# KiCad board AsicsBoard - 16xBM1366 - 01A.kicad_pcb
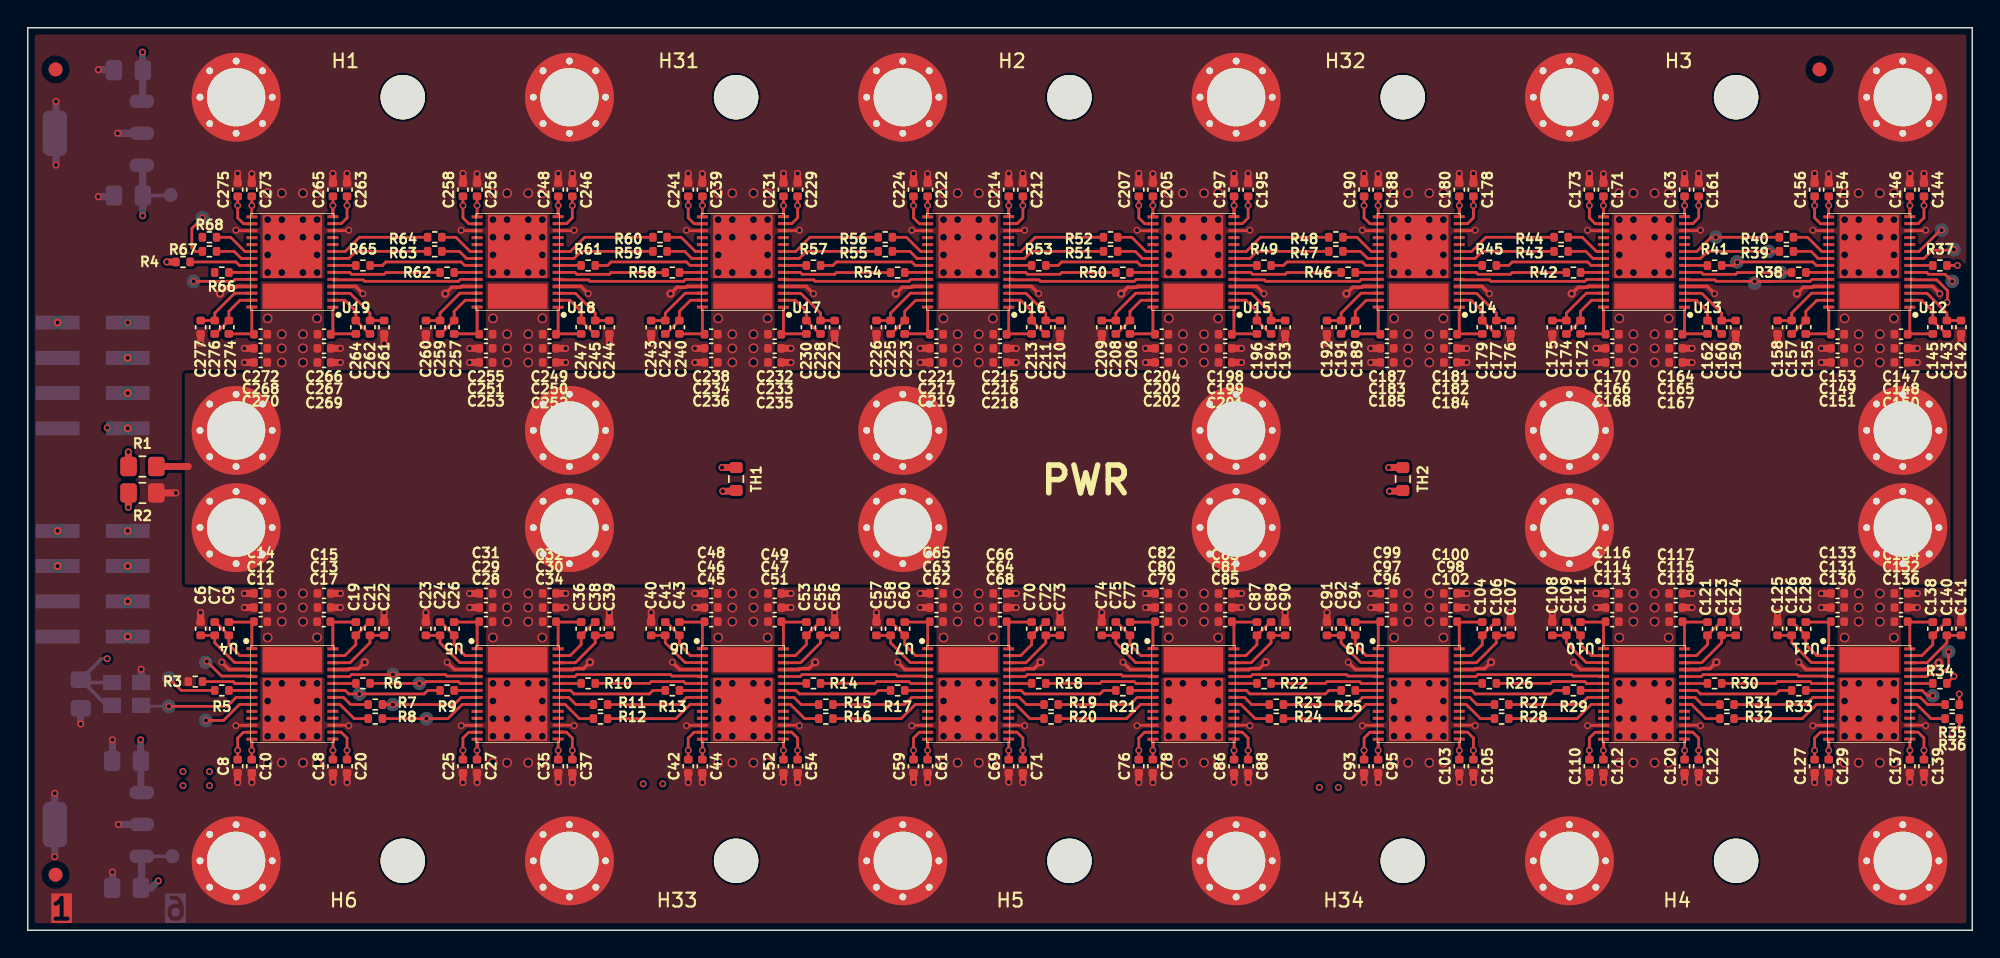
[diagram p0: board, top side]
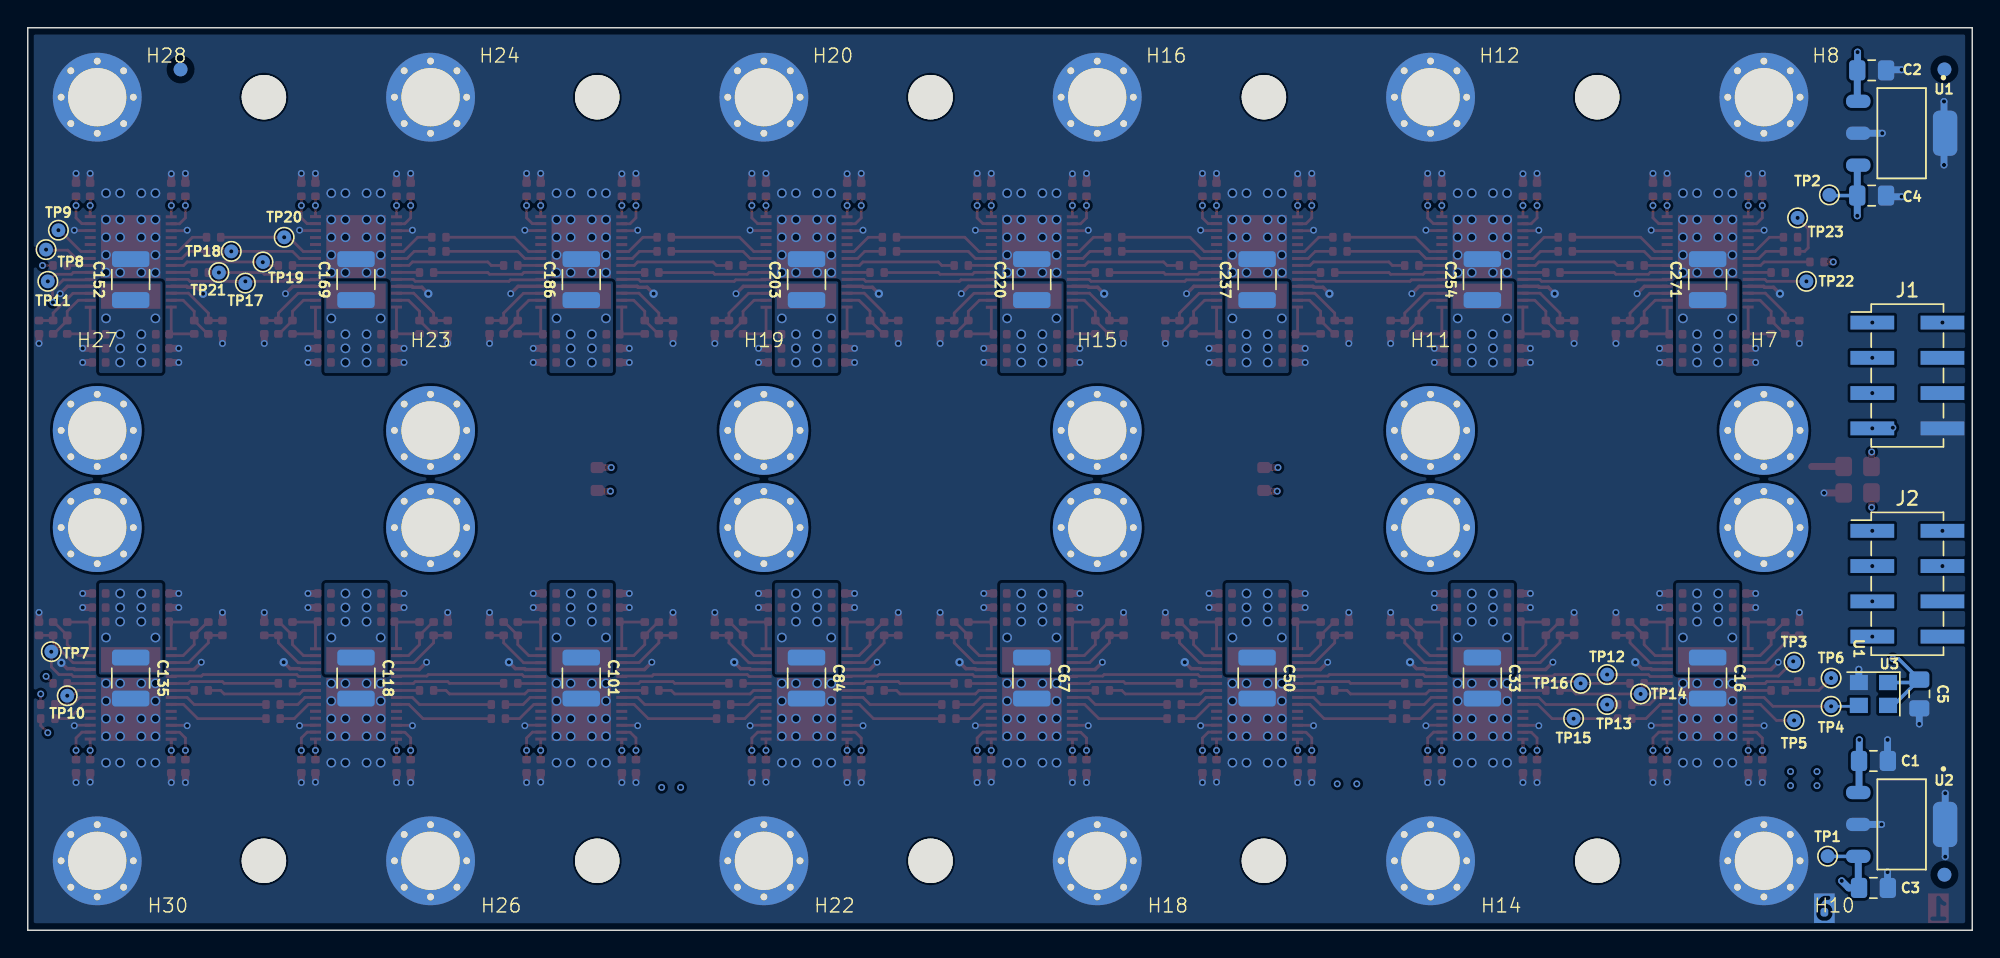
[diagram p1: board, bottom side, seen from below]

Outline 140 x 65 mm; copper layers: Top, In1.Cu, In2.Cu, In3.Cu, In4.Cu, Bottom. Coordinates in mm from the lower left corner of the outline.
Outline path: 0,65 0,0 140,0 140,65 0,65
Stack: Top 0.035mm / dielectric 0.1mm FR4 er 4.5 / In1.Cu 0.035mm / dielectric 0.535mm FR4 er 4.5 / In2.Cu 0.035mm / dielectric 0.1mm FR4 er 4.5 / In3.Cu 0.035mm / dielectric 0.535mm FR4 er 4.5 / In4.Cu 0.035mm / dielectric 0.1mm FR4 er 4.5 / Bottom 0.035mm

## Placement (name value [footprint] x y rotation side)
C1  1uF  [C_0805_2012Metric_Pad1.18x1.45mm_HandSolder]  7.11 12.19 180 bottom
C2  1uF  [C_0805_2012Metric_Pad1.18x1.45mm_HandSolder]  7.24 61.93 180 bottom
C3  1uF  [C_0805_2012Metric_Pad1.18x1.45mm_HandSolder]  7.11 3.05 180 bottom
C4  1uF  [C_0805_2012Metric_Pad1.18x1.45mm_HandSolder]  7.24 52.92 180 bottom
C5  100nF  [C_0805_2012Metric_Pad1.18x1.45mm_HandSolder]  3.81 17.02 270 bottom
C6  1uF/6.3V  [C_0402_1005Metric]  12.45 21.72 270 top
C7  1uF/6.3V  [C_0402_1005Metric]  13.46 21.72 90 top
C8  1uF/6.3V  [C_0402_1005Metric]  15.11 11.81 270 top
C9  1uF/6.3V  [C_0402_1005Metric]  14.48 21.72 90 top
C10  1uF/6.3V  [C_0402_1005Metric]  16.13 11.81 270 top
C11  1uF/6.3V  [C_0402_1005Metric]  16.76 22.22 0 top
C12  100nF  [C_0402_1005Metric]  16.76 23.24 180 top
C13  100nF  [C_0402_1005Metric]  21.34 23.24 0 top
C14  1uF/6.3V  [C_0402_1005Metric]  16.76 24.26 180 top
C15  1uF/6.3V  [C_0402_1005Metric]  21.34 24.26 0 top
C16  330µF/4V  [C_1210_3225Metric]  19.05 18.16 270 bottom
C17  1uF/6.3V  [C_0402_1005Metric]  21.31 22.22 0 top
C18  1uF/6.3V  [C_0402_1005Metric]  21.97 11.81 270 top
C19  1uF/6.3V  [C_0402_1005Metric]  23.62 21.72 270 top
C20  1uF/6.3V  [C_0402_1005Metric]  22.99 11.81 270 top
C21  1uF/6.3V  [C_0402_1005Metric]  24.64 21.72 270 top
C22  1uF/6.3V  [C_0402_1005Metric]  25.65 21.72 90 top
C23  1uF/6.3V  [C_0402_1005Metric]  28.67 21.72 270 top
C24  1uF/6.3V  [C_0402_1005Metric]  29.68 21.72 90 top
C25  1uF/6.3V  [C_0402_1005Metric]  31.33 11.81 270 top
C26  1uF/6.3V  [C_0402_1005Metric]  30.7 21.72 90 top
C27  1uF/6.3V  [C_0402_1005Metric]  32.35 11.81 270 top
C28  1uF/6.3V  [C_0402_1005Metric]  32.98 22.22 0 top
C29  100nF  [C_0402_1005Metric]  32.98 23.24 180 top
C30  100nF  [C_0402_1005Metric]  37.56 23.24 0 top
C31  1uF/6.3V  [C_0402_1005Metric]  32.98 24.26 180 top
C32  1uF/6.3V  [C_0402_1005Metric]  37.56 24.26 0 top
C33  330µF/4V  [C_1210_3225Metric]  35.27 18.16 270 bottom
C34  1uF/6.3V  [C_0402_1005Metric]  37.56 22.22 0 top
C35  1uF/6.3V  [C_0402_1005Metric]  38.19 11.81 270 top
C36  1uF/6.3V  [C_0402_1005Metric]  39.84 21.72 270 top
C37  1uF/6.3V  [C_0402_1005Metric]  39.21 11.81 270 top
C38  1uF/6.3V  [C_0402_1005Metric]  40.86 21.72 270 top
C39  1uF/6.3V  [C_0402_1005Metric]  41.87 21.72 90 top
C40  1uF/6.3V  [C_0402_1005Metric]  44.89 21.72 270 top
C41  1uF/6.3V  [C_0402_1005Metric]  45.9 21.72 90 top
C42  1uF/6.3V  [C_0402_1005Metric]  47.55 11.81 270 top
C43  1uF/6.3V  [C_0402_1005Metric]  46.92 21.72 90 top
C44  1uF/6.3V  [C_0402_1005Metric]  48.57 11.81 270 top
C45  1uF/6.3V  [C_0402_1005Metric]  49.2 22.22 0 top
C46  100nF  [C_0402_1005Metric]  49.2 23.24 180 top
C47  100nF  [C_0402_1005Metric]  53.78 23.24 0 top
C48  1uF/6.3V  [C_0402_1005Metric]  49.2 24.26 180 top
C49  1uF/6.3V  [C_0402_1005Metric]  53.78 24.26 0 top
C50  330µF/4V  [C_1210_3225Metric]  51.49 18.16 270 bottom
C51  1uF/6.3V  [C_0402_1005Metric]  53.78 22.22 0 top
C52  1uF/6.3V  [C_0402_1005Metric]  54.41 11.81 270 top
C53  1uF/6.3V  [C_0402_1005Metric]  56.06 21.72 270 top
C54  1uF/6.3V  [C_0402_1005Metric]  55.43 11.81 270 top
C55  1uF/6.3V  [C_0402_1005Metric]  57.08 21.72 270 top
C56  1uF/6.3V  [C_0402_1005Metric]  58.09 21.72 90 top
C57  1uF/6.3V  [C_0402_1005Metric]  61.11 21.72 270 top
C58  1uF/6.3V  [C_0402_1005Metric]  62.12 21.72 90 top
C59  1uF/6.3V  [C_0402_1005Metric]  63.77 11.81 270 top
C60  1uF/6.3V  [C_0402_1005Metric]  63.14 21.72 90 top
C61  1uF/6.3V  [C_0402_1005Metric]  64.79 11.81 270 top
C62  1uF/6.3V  [C_0402_1005Metric]  65.42 22.22 0 top
C63  100nF  [C_0402_1005Metric]  65.42 23.24 180 top
C64  100nF  [C_0402_1005Metric]  70 23.24 0 top
C65  1uF/6.3V  [C_0402_1005Metric]  65.42 24.26 180 top
C66  1uF/6.3V  [C_0402_1005Metric]  70 24.26 0 top
C67  330µF/4V  [C_1210_3225Metric]  67.71 18.16 270 bottom
C68  1uF/6.3V  [C_0402_1005Metric]  70 22.22 0 top
C69  1uF/6.3V  [C_0402_1005Metric]  70.63 11.81 270 top
C70  1uF/6.3V  [C_0402_1005Metric]  72.28 21.72 270 top
C71  1uF/6.3V  [C_0402_1005Metric]  71.65 11.81 270 top
C72  1uF/6.3V  [C_0402_1005Metric]  73.3 21.72 270 top
C73  1uF/6.3V  [C_0402_1005Metric]  74.31 21.72 90 top
C74  1uF/6.3V  [C_0402_1005Metric]  77.32 21.72 270 top
C75  1uF/6.3V  [C_0402_1005Metric]  78.34 21.72 90 top
C76  1uF/6.3V  [C_0402_1005Metric]  79.99 11.81 270 top
C77  1uF/6.3V  [C_0402_1005Metric]  79.36 21.72 90 top
C78  1uF/6.3V  [C_0402_1005Metric]  81.01 11.81 270 top
C79  1uF/6.3V  [C_0402_1005Metric]  81.64 22.22 0 top
C80  100nF  [C_0402_1005Metric]  81.64 23.24 180 top
C81  100nF  [C_0402_1005Metric]  86.21 23.24 0 top
C82  1uF/6.3V  [C_0402_1005Metric]  81.64 24.26 180 top
C83  1uF/6.3V  [C_0402_1005Metric]  86.21 24.26 0 top
C84  330µF/4V  [C_1210_3225Metric]  83.93 18.16 270 bottom
C85  1uF/6.3V  [C_0402_1005Metric]  86.21 22.22 0 top
C86  1uF/6.3V  [C_0402_1005Metric]  86.85 11.81 270 top
C87  1uF/6.3V  [C_0402_1005Metric]  88.5 21.72 270 top
C88  1uF/6.3V  [C_0402_1005Metric]  87.87 11.81 270 top
C89  1uF/6.3V  [C_0402_1005Metric]  89.52 21.72 270 top
C90  1uF/6.3V  [C_0402_1005Metric]  90.53 21.72 90 top
C91  1uF/6.3V  [C_0402_1005Metric]  93.54 21.72 270 top
C92  1uF/6.3V  [C_0402_1005Metric]  94.56 21.72 90 top
C93  1uF/6.3V  [C_0402_1005Metric]  96.21 11.81 270 top
C94  1uF/6.3V  [C_0402_1005Metric]  95.58 21.72 90 top
C95  1uF/6.3V  [C_0402_1005Metric]  97.23 11.81 270 top
C96  1uF/6.3V  [C_0402_1005Metric]  97.86 22.22 0 top
C97  100nF  [C_0402_1005Metric]  97.86 23.24 180 top
C98  100nF  [C_0402_1005Metric]  102.43 23.24 0 top
C99  1uF/6.3V  [C_0402_1005Metric]  97.86 24.26 180 top
C100  1uF/6.3V  [C_0402_1005Metric]  102.43 24.26 0 top
C101  330µF/4V  [C_1210_3225Metric]  100.15 18.16 270 bottom
C102  1uF/6.3V  [C_0402_1005Metric]  102.43 22.22 0 top
C103  1uF/6.3V  [C_0402_1005Metric]  103.07 11.81 270 top
C104  1uF/6.3V  [C_0402_1005Metric]  104.72 21.72 270 top
C105  1uF/6.3V  [C_0402_1005Metric]  104.09 11.81 270 top
C106  1uF/6.3V  [C_0402_1005Metric]  105.74 21.72 270 top
C107  1uF/6.3V  [C_0402_1005Metric]  106.75 21.72 90 top
C108  1uF/6.3V  [C_0402_1005Metric]  109.76 21.72 270 top
C109  1uF/6.3V  [C_0402_1005Metric]  110.78 21.72 90 top
C110  1uF/6.3V  [C_0402_1005Metric]  112.43 11.81 270 top
C111  1uF/6.3V  [C_0402_1005Metric]  111.8 21.72 90 top
C112  1uF/6.3V  [C_0402_1005Metric]  113.45 11.81 270 top
C113  1uF/6.3V  [C_0402_1005Metric]  114.08 22.22 0 top
C114  100nF  [C_0402_1005Metric]  114.08 23.24 180 top
C115  100nF  [C_0402_1005Metric]  118.65 23.24 0 top
C116  1uF/6.3V  [C_0402_1005Metric]  114.08 24.26 180 top
C117  1uF/6.3V  [C_0402_1005Metric]  118.65 24.26 0 top
C118  330µF/4V  [C_1210_3225Metric]  116.37 18.16 270 bottom
C119  1uF/6.3V  [C_0402_1005Metric]  118.65 22.22 0 top
C120  1uF/6.3V  [C_0402_1005Metric]  119.29 11.81 270 top
C121  1uF/6.3V  [C_0402_1005Metric]  120.94 21.72 270 top
C122  1uF/6.3V  [C_0402_1005Metric]  120.31 11.81 270 top
C123  1uF/6.3V  [C_0402_1005Metric]  121.96 21.72 270 top
C124  1uF/6.3V  [C_0402_1005Metric]  122.97 21.72 90 top
C125  1uF/6.3V  [C_0402_1005Metric]  125.98 21.72 270 top
C126  1uF/6.3V  [C_0402_1005Metric]  127 21.72 90 top
C127  1uF/6.3V  [C_0402_1005Metric]  128.65 11.81 270 top
C128  1uF/6.3V  [C_0402_1005Metric]  128.02 21.72 90 top
C129  1uF/6.3V  [C_0402_1005Metric]  129.67 11.81 270 top
C130  1uF/6.3V  [C_0402_1005Metric]  130.3 22.22 0 top
C131  100nF  [C_0402_1005Metric]  130.3 23.24 180 top
C132  100nF  [C_0402_1005Metric]  134.87 23.24 0 top
C133  1uF/6.3V  [C_0402_1005Metric]  130.3 24.26 180 top
C134  1uF/6.3V  [C_0402_1005Metric]  134.87 24.26 0 top
C135  330µF/4V  [C_1210_3225Metric]  132.59 18.16 270 bottom
C136  1uF/6.3V  [C_0402_1005Metric]  134.87 22.22 0 top
C137  1uF/6.3V  [C_0402_1005Metric]  135.51 11.81 270 top
C138  1uF/6.3V  [C_0402_1005Metric]  137.16 21.72 270 top
C139  1uF/6.3V  [C_0402_1005Metric]  136.53 11.81 270 top
C140  1uF/6.3V  [C_0402_1005Metric]  138.18 21.72 270 top
C141  1uF/6.3V  [C_0402_1005Metric]  139.19 21.72 90 top
C142  1uF/6.3V  [C_0402_1005Metric]  139.19 43.43 90 top
C143  1uF/6.3V  [C_0402_1005Metric]  138.18 43.43 270 top
C144  1uF/6.3V  [C_0402_1005Metric]  136.53 53.34 90 top
C145  1uF/6.3V  [C_0402_1005Metric]  137.16 43.43 270 top
C146  1uF/6.3V  [C_0402_1005Metric]  135.51 53.34 90 top
C147  1uF/6.3V  [C_0402_1005Metric]  134.87 42.93 180 top
C148  100nF  [C_0402_1005Metric]  134.87 41.91 0 top
C149  100nF  [C_0402_1005Metric]  130.3 41.91 180 top
C150  1uF/6.3V  [C_0402_1005Metric]  134.87 40.89 0 top
C151  1uF/6.3V  [C_0402_1005Metric]  130.3 40.89 180 top
C152  330µF/4V  [C_1210_3225Metric]  132.59 46.86 90 bottom
C153  1uF/6.3V  [C_0402_1005Metric]  130.3 42.93 180 top
C154  1uF/6.3V  [C_0402_1005Metric]  129.67 53.34 90 top
C155  1uF/6.3V  [C_0402_1005Metric]  128.02 43.43 90 top
C156  1uF/6.3V  [C_0402_1005Metric]  128.65 53.34 90 top
C157  1uF/6.3V  [C_0402_1005Metric]  127 43.43 90 top
C158  1uF/6.3V  [C_0402_1005Metric]  125.98 43.43 270 top
C159  1uF/6.3V  [C_0402_1005Metric]  122.97 43.43 90 top
C160  1uF/6.3V  [C_0402_1005Metric]  121.96 43.43 270 top
C161  1uF/6.3V  [C_0402_1005Metric]  120.31 53.34 90 top
C162  1uF/6.3V  [C_0402_1005Metric]  120.94 43.43 270 top
C163  1uF/6.3V  [C_0402_1005Metric]  119.29 53.34 90 top
C164  1uF/6.3V  [C_0402_1005Metric]  118.65 42.93 180 top
C165  100nF  [C_0402_1005Metric]  118.65 41.91 0 top
C166  100nF  [C_0402_1005Metric]  114.08 41.91 180 top
C167  1uF/6.3V  [C_0402_1005Metric]  118.65 40.89 0 top
C168  1uF/6.3V  [C_0402_1005Metric]  114.08 40.89 180 top
C169  330µF/4V  [C_1210_3225Metric]  116.37 46.86 90 bottom
C170  1uF/6.3V  [C_0402_1005Metric]  114.08 42.93 180 top
C171  1uF/6.3V  [C_0402_1005Metric]  113.45 53.34 90 top
C172  1uF/6.3V  [C_0402_1005Metric]  111.8 43.43 90 top
C173  1uF/6.3V  [C_0402_1005Metric]  112.43 53.34 90 top
C174  1uF/6.3V  [C_0402_1005Metric]  110.78 43.43 90 top
C175  1uF/6.3V  [C_0402_1005Metric]  109.76 43.43 270 top
C176  1uF/6.3V  [C_0402_1005Metric]  106.75 43.43 90 top
C177  1uF/6.3V  [C_0402_1005Metric]  105.74 43.43 270 top
C178  1uF/6.3V  [C_0402_1005Metric]  104.09 53.34 90 top
C179  1uF/6.3V  [C_0402_1005Metric]  104.72 43.43 270 top
C180  1uF/6.3V  [C_0402_1005Metric]  103.07 53.34 90 top
C181  1uF/6.3V  [C_0402_1005Metric]  102.43 42.93 180 top
C182  100nF  [C_0402_1005Metric]  102.43 41.91 0 top
C183  100nF  [C_0402_1005Metric]  97.86 41.91 180 top
C184  1uF/6.3V  [C_0402_1005Metric]  102.43 40.89 0 top
C185  1uF/6.3V  [C_0402_1005Metric]  97.86 40.89 180 top
C186  330µF/4V  [C_1210_3225Metric]  100.15 46.86 90 bottom
C187  1uF/6.3V  [C_0402_1005Metric]  97.86 42.93 180 top
C188  1uF/6.3V  [C_0402_1005Metric]  97.23 53.34 90 top
C189  1uF/6.3V  [C_0402_1005Metric]  95.58 43.43 90 top
C190  1uF/6.3V  [C_0402_1005Metric]  96.21 53.34 90 top
C191  1uF/6.3V  [C_0402_1005Metric]  94.56 43.43 90 top
C192  1uF/6.3V  [C_0402_1005Metric]  93.54 43.43 270 top
C193  1uF/6.3V  [C_0402_1005Metric]  90.53 43.43 90 top
C194  1uF/6.3V  [C_0402_1005Metric]  89.52 43.43 270 top
C195  1uF/6.3V  [C_0402_1005Metric]  87.87 53.34 90 top
C196  1uF/6.3V  [C_0402_1005Metric]  88.5 43.43 270 top
C197  1uF/6.3V  [C_0402_1005Metric]  86.85 53.34 90 top
C198  1uF/6.3V  [C_0402_1005Metric]  86.21 42.93 180 top
C199  100nF  [C_0402_1005Metric]  86.21 41.91 0 top
C200  100nF  [C_0402_1005Metric]  81.64 41.91 180 top
C201  1uF/6.3V  [C_0402_1005Metric]  86.21 40.89 0 top
C202  1uF/6.3V  [C_0402_1005Metric]  81.64 40.89 180 top
C203  330µF/4V  [C_1210_3225Metric]  83.93 46.86 90 bottom
C204  1uF/6.3V  [C_0402_1005Metric]  81.64 42.93 180 top
C205  1uF/6.3V  [C_0402_1005Metric]  81.01 53.34 90 top
C206  1uF/6.3V  [C_0402_1005Metric]  79.36 43.43 90 top
C207  1uF/6.3V  [C_0402_1005Metric]  79.99 53.34 90 top
C208  1uF/6.3V  [C_0402_1005Metric]  78.34 43.43 90 top
C209  1uF/6.3V  [C_0402_1005Metric]  77.32 43.43 270 top
C210  1uF/6.3V  [C_0402_1005Metric]  74.31 43.43 90 top
C211  1uF/6.3V  [C_0402_1005Metric]  73.3 43.43 270 top
C212  1uF/6.3V  [C_0402_1005Metric]  71.65 53.34 90 top
C213  1uF/6.3V  [C_0402_1005Metric]  72.28 43.43 270 top
C214  1uF/6.3V  [C_0402_1005Metric]  70.63 53.34 90 top
C215  1uF/6.3V  [C_0402_1005Metric]  70 42.93 180 top
C216  100nF  [C_0402_1005Metric]  70 41.91 0 top
C217  100nF  [C_0402_1005Metric]  65.42 41.91 180 top
C218  1uF/6.3V  [C_0402_1005Metric]  70 40.89 0 top
C219  1uF/6.3V  [C_0402_1005Metric]  65.42 40.89 180 top
C220  330µF/4V  [C_1210_3225Metric]  67.71 46.86 90 bottom
C221  1uF/6.3V  [C_0402_1005Metric]  65.42 42.93 180 top
C222  1uF/6.3V  [C_0402_1005Metric]  64.79 53.34 90 top
C223  1uF/6.3V  [C_0402_1005Metric]  63.14 43.43 90 top
C224  1uF/6.3V  [C_0402_1005Metric]  63.77 53.34 90 top
C225  1uF/6.3V  [C_0402_1005Metric]  62.12 43.43 90 top
C226  1uF/6.3V  [C_0402_1005Metric]  61.11 43.43 270 top
C227  1uF/6.3V  [C_0402_1005Metric]  58.09 43.43 90 top
C228  1uF/6.3V  [C_0402_1005Metric]  57.08 43.43 270 top
C229  1uF/6.3V  [C_0402_1005Metric]  55.43 53.34 90 top
C230  1uF/6.3V  [C_0402_1005Metric]  56.06 43.43 270 top
C231  1uF/6.3V  [C_0402_1005Metric]  54.41 53.34 90 top
C232  1uF/6.3V  [C_0402_1005Metric]  53.78 42.93 180 top
C233  100nF  [C_0402_1005Metric]  53.78 41.91 0 top
C234  100nF  [C_0402_1005Metric]  49.2 41.91 180 top
C235  1uF/6.3V  [C_0402_1005Metric]  53.78 40.89 0 top
C236  1uF/6.3V  [C_0402_1005Metric]  49.2 40.89 180 top
C237  330µF/4V  [C_1210_3225Metric]  51.49 46.86 90 bottom
C238  1uF/6.3V  [C_0402_1005Metric]  49.2 42.93 180 top
C239  1uF/6.3V  [C_0402_1005Metric]  48.57 53.34 90 top
C240  1uF/6.3V  [C_0402_1005Metric]  46.92 43.43 90 top
C241  1uF/6.3V  [C_0402_1005Metric]  47.55 53.34 90 top
C242  1uF/6.3V  [C_0402_1005Metric]  45.9 43.43 90 top
C243  1uF/6.3V  [C_0402_1005Metric]  44.89 43.43 270 top
C244  1uF/6.3V  [C_0402_1005Metric]  41.87 43.43 90 top
C245  1uF/6.3V  [C_0402_1005Metric]  40.86 43.43 270 top
C246  1uF/6.3V  [C_0402_1005Metric]  39.21 53.34 90 top
C247  1uF/6.3V  [C_0402_1005Metric]  39.84 43.43 270 top
C248  1uF/6.3V  [C_0402_1005Metric]  38.19 53.34 90 top
C249  1uF/6.3V  [C_0402_1005Metric]  37.56 42.93 180 top
C250  100nF  [C_0402_1005Metric]  37.56 41.91 0 top
C251  100nF  [C_0402_1005Metric]  32.98 41.91 180 top
C252  1uF/6.3V  [C_0402_1005Metric]  37.56 40.89 0 top
C253  1uF/6.3V  [C_0402_1005Metric]  32.98 40.89 180 top
C254  330µF/4V  [C_1210_3225Metric]  35.27 46.86 90 bottom
C255  1uF/6.3V  [C_0402_1005Metric]  32.98 42.93 180 top
C256  1uF/6.3V  [C_0402_1005Metric]  32.35 53.34 90 top
C257  1uF/6.3V  [C_0402_1005Metric]  30.7 43.43 90 top
C258  1uF/6.3V  [C_0402_1005Metric]  31.33 53.34 90 top
C259  1uF/6.3V  [C_0402_1005Metric]  29.68 43.43 90 top
C260  1uF/6.3V  [C_0402_1005Metric]  28.67 43.43 270 top
C261  1uF/6.3V  [C_0402_1005Metric]  25.65 43.43 90 top
C262  1uF/6.3V  [C_0402_1005Metric]  24.64 43.43 270 top
C263  1uF/6.3V  [C_0402_1005Metric]  22.99 53.34 90 top
C264  1uF/6.3V  [C_0402_1005Metric]  23.62 43.43 270 top
C265  1uF/6.3V  [C_0402_1005Metric]  21.97 53.34 90 top
C266  1uF/6.3V  [C_0402_1005Metric]  21.34 42.93 180 top
C267  100nF  [C_0402_1005Metric]  21.34 41.91 0 top
C268  100nF  [C_0402_1005Metric]  16.76 41.91 180 top
C269  1uF/6.3V  [C_0402_1005Metric]  21.34 40.89 0 top
C270  1uF/6.3V  [C_0402_1005Metric]  16.76 40.89 180 top
C271  330µF/4V  [C_1210_3225Metric]  19.05 46.86 90 bottom
C272  1uF/6.3V  [C_0402_1005Metric]  16.76 42.93 180 top
C273  1uF/6.3V  [C_0402_1005Metric]  16.13 53.34 90 top
C274  1uF/6.3V  [C_0402_1005Metric]  14.48 43.43 90 top
C275  1uF/6.3V  [C_0402_1005Metric]  15.11 53.34 90 top
C276  1uF/6.3V  [C_0402_1005Metric]  13.46 43.43 90 top
C277  1uF/6.3V  [C_0402_1005Metric]  12.45 43.43 270 top
FID1  Fiducial  [Fiducial_1mm_Mask2mm]  2 62 0 top
FID2  Fiducial  [Fiducial_1mm_Mask2mm]  2 4 0 top
FID3  Fiducial  [Fiducial_1mm_Mask2mm]  129 62 0 top
FID4  Fiducial  [Fiducial_1mm_Mask2mm]  2 62 180 bottom
FID5  Fiducial  [Fiducial_1mm_Mask2mm]  129 62 180 bottom
FID6  Fiducial  [Fiducial_1mm_Mask2mm]  2 4 180 bottom
H1  MountingHole  [MountingHole_3.2mm_M3_ISO7380]  27 60 0 top
H2  MountingHole  [MountingHole_3.2mm_M3_ISO7380]  75 60 0 top
H3  MountingHole  [MountingHole_3.2mm_M3_ISO7380]  123 60 0 top
H4  MountingHole  [MountingHole_3.2mm_M3_ISO7380]  123 5 0 top
H5  MountingHole  [MountingHole_3.2mm_M3_ISO7380]  75 5 90 top
H6  MountingHole  [MountingHole_3.2mm_M3_ISO7380]  27 5 0 top
H7  MountingHole_Pad  [SMTSO-M3-10ET]  15 36 180 bottom
H8  MountingHole_Pad  [SMTSO-M3-10ET]  15 60 180 bottom
H9  MountingHole_Pad  [SMTSO-M3-10ET]  15 29 180 bottom
H10  MountingHole_Pad  [SMTSO-M3-10ET]  15 5 180 bottom
H11  MountingHole_Pad  [SMTSO-M3-10ET]  39 36 180 bottom
H12  MountingHole_Pad  [SMTSO-M3-10ET]  39 60 180 bottom
H13  MountingHole_Pad  [SMTSO-M3-10ET]  39 29 180 bottom
H14  MountingHole_Pad  [SMTSO-M3-10ET]  39 5 180 bottom
H15  MountingHole_Pad  [SMTSO-M3-10ET]  63 36 180 bottom
H16  MountingHole_Pad  [SMTSO-M3-10ET]  63 60 180 bottom
H17  MountingHole_Pad  [SMTSO-M3-10ET]  63 29 180 bottom
H18  MountingHole_Pad  [SMTSO-M3-10ET]  63 5 180 bottom
H19  MountingHole_Pad  [SMTSO-M3-10ET]  87 36 180 bottom
H20  MountingHole_Pad  [SMTSO-M3-10ET]  87 60 180 bottom
H21  MountingHole_Pad  [SMTSO-M3-10ET]  87 29 180 bottom
H22  MountingHole_Pad  [SMTSO-M3-10ET]  87 5 180 bottom
H23  MountingHole_Pad  [SMTSO-M3-10ET]  111 36 180 bottom
H24  MountingHole_Pad  [SMTSO-M3-10ET]  111 60 180 bottom
H25  MountingHole_Pad  [SMTSO-M3-10ET]  111 29 180 bottom
H26  MountingHole_Pad  [SMTSO-M3-10ET]  111 5 180 bottom
H27  MountingHole_Pad  [SMTSO-M3-10ET]  135 36 180 bottom
H28  MountingHole_Pad  [SMTSO-M3-10ET]  135 60 180 bottom
H29  MountingHole_Pad  [SMTSO-M3-10ET]  135 29 180 bottom
H30  MountingHole_Pad  [SMTSO-M3-10ET]  135 5 180 bottom
H31  MountingHole  [MountingHole_3.2mm_M3_ISO7380]  51 60 0 top
H32  MountingHole  [MountingHole_3.2mm_M3_ISO7380]  99 60 0 top
H33  MountingHole  [MountingHole_3.2mm_M3_ISO7380]  51 5 0 top
H34  MountingHole  [MountingHole_3.2mm_M3_ISO7380]  99 5 0 top
J1  Conn_02x04_Odd_Even  [PinHeader_2x04_P2.54mm_Vertical_SMD]  4.67 39.96 180 bottom
J2  Conn_02x04_Odd_Even  [PinHeader_2x04_P2.54mm_Vertical_SMD]  4.67 24.96 180 bottom
R1  51R 0.5%  [R_0805_2012Metric_Pad1.20x1.40mm_HandSolder]  8.25 33.4 180 top
R2  51R 0.5%  [R_0805_2012Metric_Pad1.20x1.40mm_HandSolder]  8.25 31.5 180 top
R3  10K  [R_0402_1005Metric]  12.06 17.91 0 top
R4  10K  [R_0402_1005Metric]  11.18 48.13 0 top
R5  33R  [R_0402_1005Metric]  13.97 17.27 180 top
R6  33R  [R_0402_1005Metric]  24.13 17.78 0 top
R7  33R  [R_0402_1005Metric]  25.02 16.26 0 top
R8  33R  [R_0402_1005Metric]  25.02 15.24 0 top
R9  33R  [R_0402_1005Metric]  30.19 17.27 180 top
R10  33R  [R_0402_1005Metric]  40.35 17.78 0 top
R11  33R  [R_0402_1005Metric]  41.24 16.26 0 top
R12  33R  [R_0402_1005Metric]  41.24 15.24 0 top
R13  33R  [R_0402_1005Metric]  46.41 17.27 180 top
R14  33R  [R_0402_1005Metric]  56.57 17.78 0 top
R15  33R  [R_0402_1005Metric]  57.46 16.26 0 top
R16  33R  [R_0402_1005Metric]  57.46 15.24 0 top
R17  33R  [R_0402_1005Metric]  62.63 17.27 180 top
R18  33R  [R_0402_1005Metric]  72.79 17.78 0 top
R19  33R  [R_0402_1005Metric]  73.68 16.26 0 top
R20  33R  [R_0402_1005Metric]  73.68 15.24 0 top
R21  33R  [R_0402_1005Metric]  78.85 17.27 180 top
R22  33R  [R_0402_1005Metric]  89.01 17.78 0 top
R23  33R  [R_0402_1005Metric]  89.9 16.26 0 top
R24  33R  [R_0402_1005Metric]  89.9 15.24 0 top
R25  33R  [R_0402_1005Metric]  95.07 17.27 180 top
R26  33R  [R_0402_1005Metric]  105.23 17.78 0 top
R27  33R  [R_0402_1005Metric]  106.12 16.26 0 top
R28  33R  [R_0402_1005Metric]  106.12 15.24 0 top
R29  33R  [R_0402_1005Metric]  111.29 17.27 180 top
R30  33R  [R_0402_1005Metric]  121.45 17.78 0 top
R31  33R  [R_0402_1005Metric]  122.34 16.26 0 top
R32  33R  [R_0402_1005Metric]  122.34 15.24 0 top
R33  33R  [R_0402_1005Metric]  127.51 17.27 180 top
R34  33R  [R_0402_1005Metric]  137.67 17.78 0 top
R35  33R  [R_0402_1005Metric]  138.56 16.26 0 top
R36  33R  [R_0402_1005Metric]  138.56 15.24 0 top
R37  33R  [R_0402_1005Metric]  137.67 47.88 0 top
R38  33R  [R_0402_1005Metric]  127.51 47.37 180 top
R39  33R  [R_0402_1005Metric]  126.62 48.89 180 top
R40  33R  [R_0402_1005Metric]  126.62 49.91 180 top
R41  33R  [R_0402_1005Metric]  121.45 47.88 0 top
R42  33R  [R_0402_1005Metric]  111.29 47.37 180 top
R43  33R  [R_0402_1005Metric]  110.4 48.89 180 top
R44  33R  [R_0402_1005Metric]  110.4 49.91 180 top
R45  33R  [R_0402_1005Metric]  105.23 47.88 0 top
R46  33R  [R_0402_1005Metric]  95.07 47.37 180 top
R47  33R  [R_0402_1005Metric]  94.18 48.89 180 top
R48  33R  [R_0402_1005Metric]  94.18 49.91 180 top
R49  33R  [R_0402_1005Metric]  89.01 47.88 0 top
R50  33R  [R_0402_1005Metric]  78.85 47.37 180 top
R51  33R  [R_0402_1005Metric]  77.96 48.89 180 top
R52  33R  [R_0402_1005Metric]  77.96 49.91 180 top
R53  33R  [R_0402_1005Metric]  72.79 47.88 0 top